# KiCad board ovc5.kicad_pcb (continued)
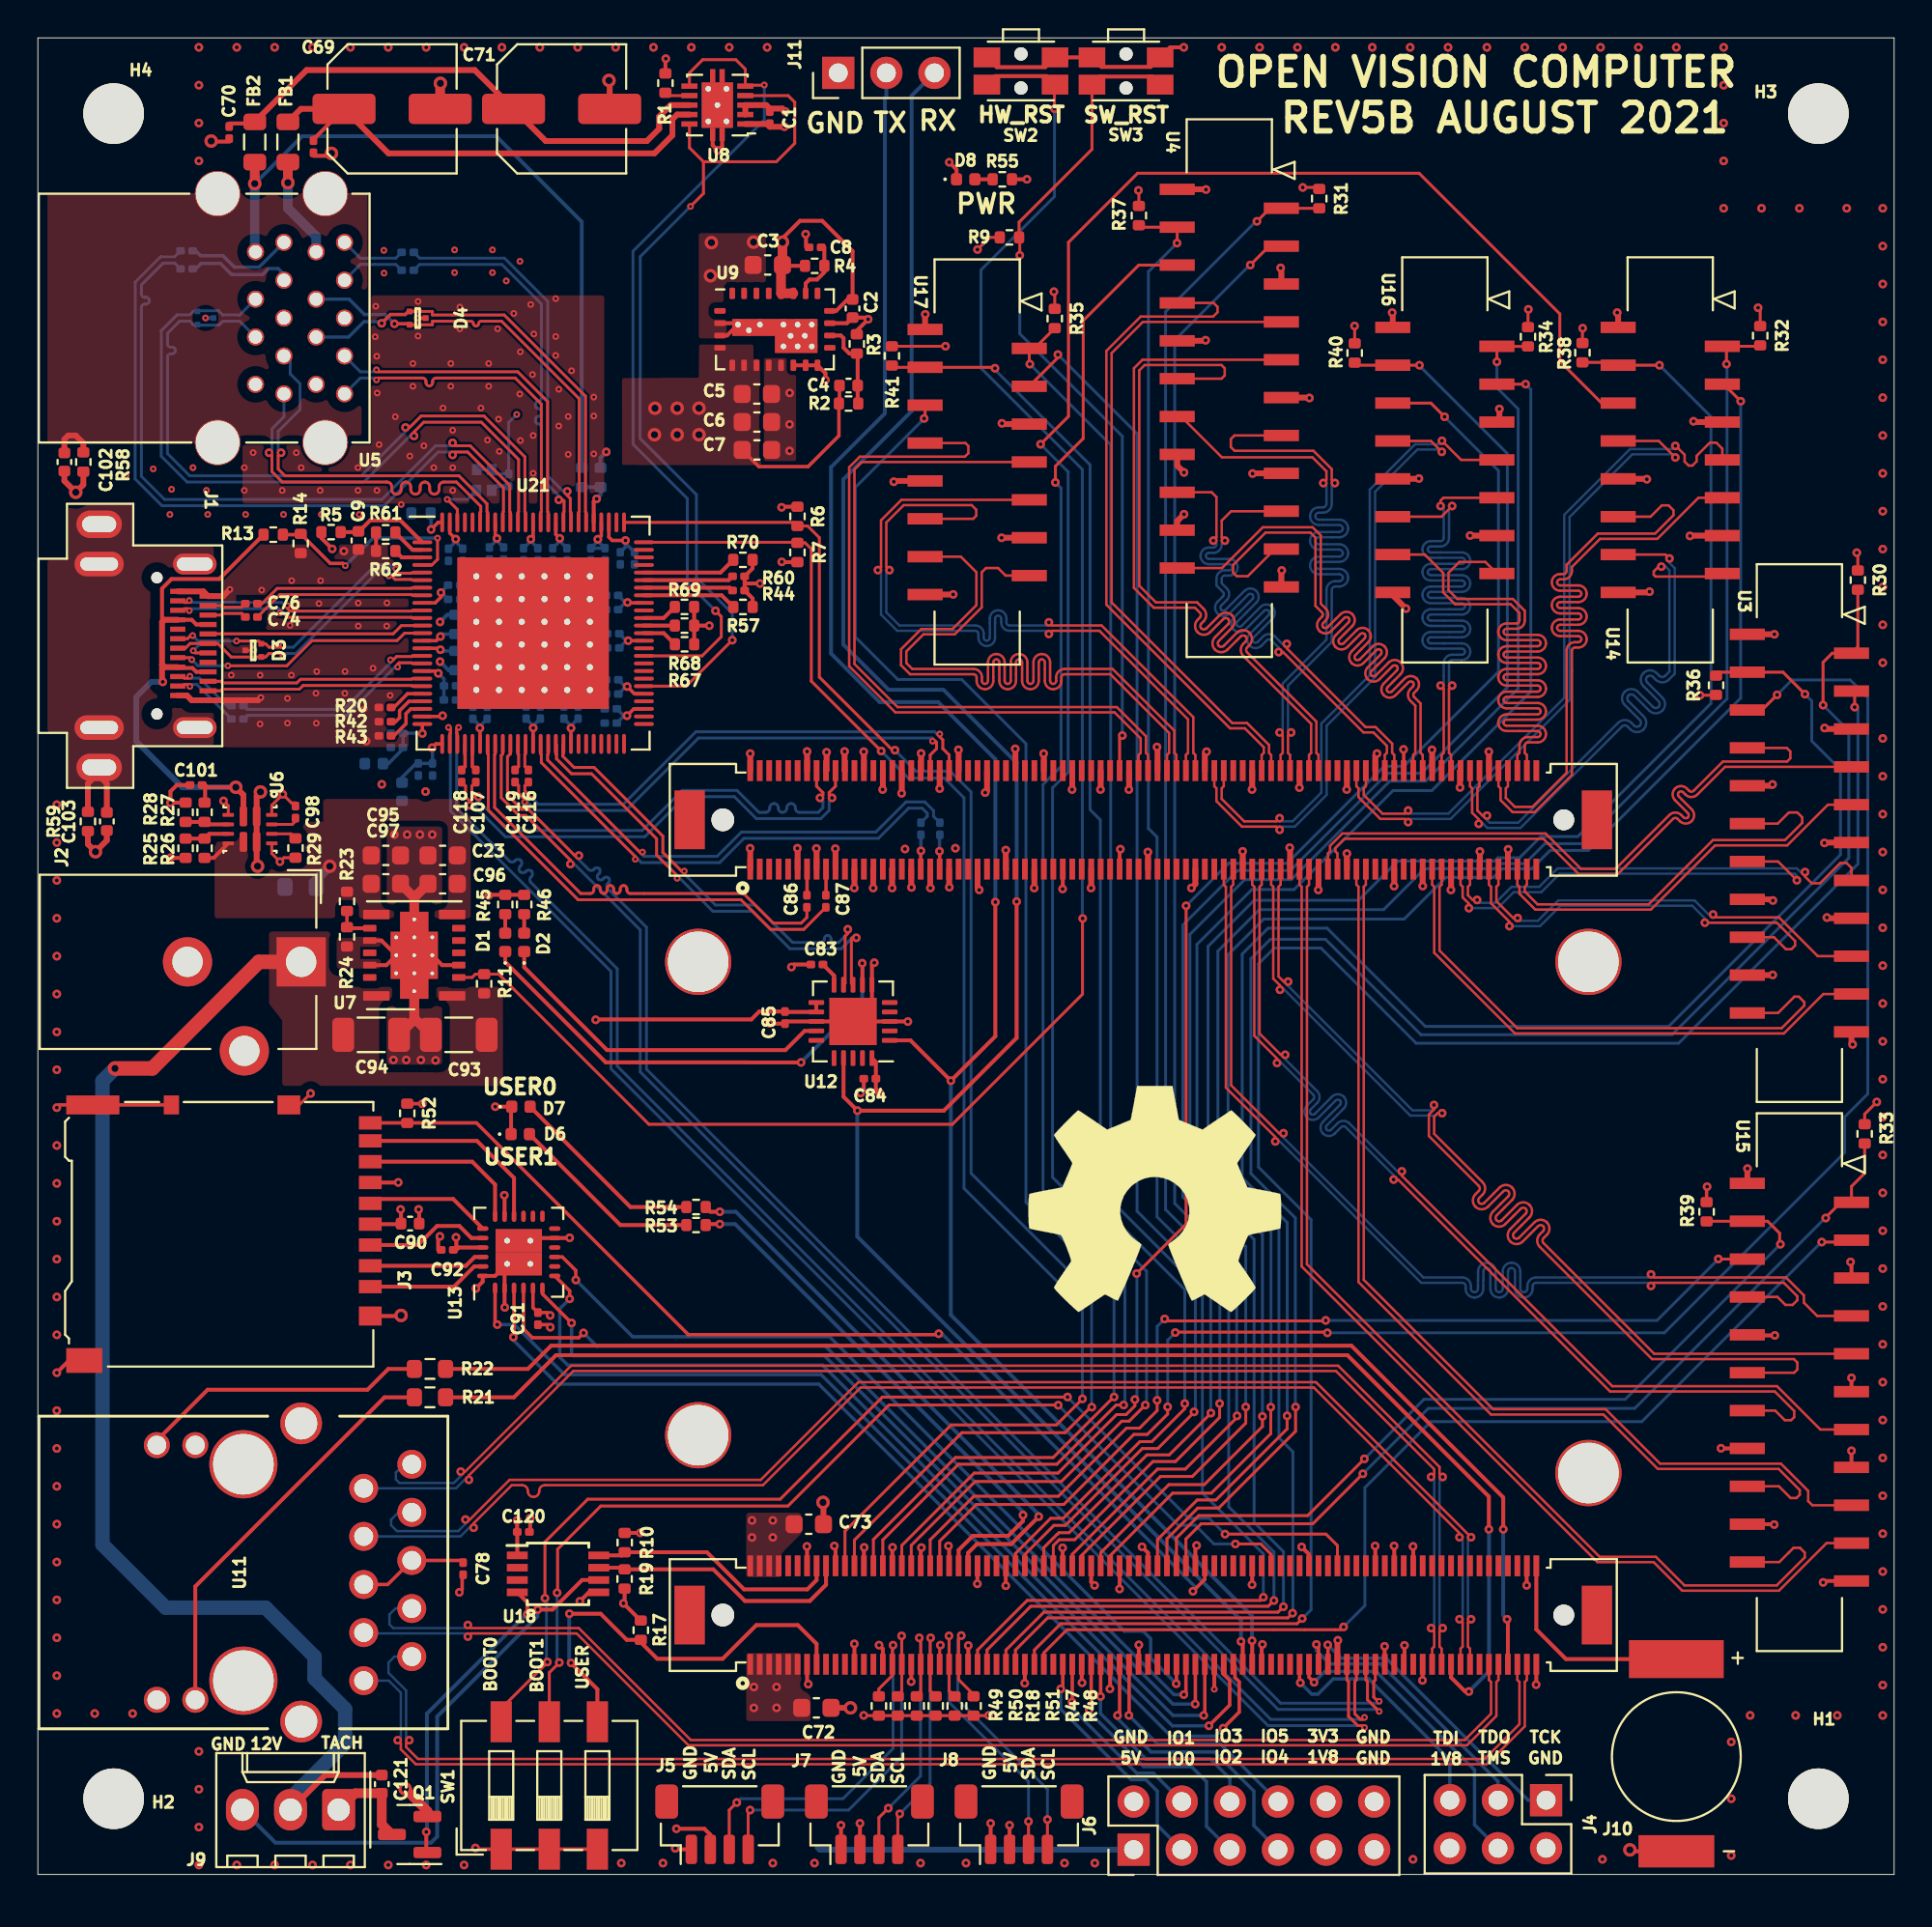
[diagram p0: board, top side]
## Routing (per net, layer and track width the routed paths; a pad name or vN(x,y) marks a point on that pad's centre or on a via; arc(x,y) is an arc through that point) (continued)
VBUS: length 31.3
  Top w0.203: J1.A9 8.36,63.52 8.16,63.72 7.43,63.72 J1.B4 ; R13.2 9.57,68.42 7.06,68.42 6.55,67.92 6.55,66.14 ; J1.B9 8.12,66.27 8.37,66.02 J1.A4 ; v2(10.45,57.42) 8.95,57.42 8.83,57.54 8.83,56.64 R27.1
  Top w0.305: J1.B4 6.69,63.77 6.55,63.9 ; U6.2 10.85,57.02 v2(10.45,57.42) ; J1.B9 6.68,66.27 6.55,66.14 6.55,63.9 ; v1(6.59,62.99) 6.55,63.02 6.55,63.9
  Bottom w0.305: v1(6.59,62.99) 5.99,62.99 5.2,62.2 5.2,59.85 7.63,57.42 v2(10.45,57.42)
/Enclustra module/BATT: length 11.7
  Top w0.203: U1.A168 79.11,12.94 80.67,11.38 86.75,11.38
/Enclustra module/JTAG_TCK: length 16
  Top w0.178: v1(68.1,12.12) 68.11,12.11 U1.A123
  Bottom w0.178: J4.1 78.67,3.92 71.17,11.42 68.8,11.42 v1(68.1,12.12)
/Enclustra module/JTAG_TDI: length 13.4
  Top w0.178: U1.A117 66.61,10.17 v1(66.65,10.12)
  Bottom w0.178: J4.5 74.55,6.05 70.26,10.33 68.39,10.33 67.58,9.53 67.25,9.53 v1(66.65,10.12)
/Enclustra module/JTAG_TDO: length 14.9
  Top w0.178: U1.A121 67.61,12.04 v1(67.5,12.15)
  Bottom w0.178: v1(67.5,12.15) 67.5,11.83 68.2,11.12 70.88,11.12 77.08,4.92 J4.3
/Enclustra module/JTAG_TMS: length 16.6
  Top w0.178: v1(67.38,10.15) 67.11,10.42 U1.A119
  Bottom w0.178: v1(67.38,10.15) 67.94,10.72 70.65,10.72 75.85,5.52 75.85,2.62 J4.4
/Enclustra module/USER_LED0: length 28.4
  Top w0.203: v1(36,34.35) 35.31,34.35 R53.1 ; v1(52.01,18.98) 52.01,18.67 51.22,17.88 49.36,17.88 48.61,17.13 U1.A46
  Bottom w0.203: v1(36,34.35) 36.81,34.35 52.01,19.15 v1(52.01,18.98)
/Enclustra module/USER_LED1: length 29.6
  Top w0.203: R54.1 35.51,35 v1(36,35) ; U1.A48 49.11,16.98 49.58,17.45 51.39,17.45 v1(52.84,18.9)
  Bottom w0.203: v1(36,35) 36.85,35 52.84,19.01 v1(52.84,18.9)
/Interfaces/RXLED: length 18.5
  Top w0.203: D2.1 25.67,47.92 30.05,43.54 39.46,43.54 40.48,44.55 U12.14
/Interfaces/SD_CLK: length 6.7
  Top w0.203: J3.5 17.78,35.67 21.92,35.67 U13.19
/Interfaces/SD_CMD: length 6.6
  Top w0.203: U13.20 22.89,33.61 22.25,34.25 21.08,34.25 20.07,33.25 J3.3
/Interfaces/SD_D0: length 8.8
  Top w0.203: U13.18 24.14,36.44 22.93,37.64 J3.7
/Interfaces/SD_D1: length 10.4
  Top w0.203: U13.16 25.14,36.79 23.18,38.75 J3.8
/Interfaces/SD_D2: length 6.4
  Top w0.203: U13.23 23.04,32.11 21.97,31.05 J3.1
/Interfaces/SD_D3: length 6.1
  Top w0.203: J3.2 22.59,32.14 23.06,32.61 U13.22
/Interfaces/TACH: length 29.2
  Top w0.203: v1(26.39,13.99) 27.17,13.99 28.73,15.55 U18.6
  Bottom w0.203: v1(26.39,13.99) 26.37,13.97 26.37,13.63 21.08,8.34 21.08,2 20.76,1.68 12.54,1.68 J9.3
/Interfaces/TXLED: length 26.1
  Top w0.203: v1(43.52,48.13) 43.53,48.11 U12.7 ; D1.1 24.67,48.19 29.98,42.89 37.42,42.89 37.42,42.89 v1(40.29,42.89)
  Bottom w0.203: v1(40.29,42.89) 43.52,46.12 v1(43.52,48.13)
/Power/VREG: length 2.8
  Top w0.203: U6.6 9.28,53.69 R25.1
  Bottom w0.508: v2(15.41,53.25) 14.7,52.53 14.7,52.31
/USB/A_SHIELD: length 2.5
  Top w0.305: R58.1 2.4,75.6 2,76 1.6,76 1.4,75.8 C102.2
/USB/C_SHIELD: length 3.6
  Top w0.305: C103.2 3.64,57.61 3.44,57.81 ; R59.1 2.64,57.61 2.84,57.81
/USB/HUB_DN2_TX+: length 1.5
  Top w0.178: 22.37,58.33 22.55,58.51 22.55,59.18 22.55,59.19 U21.29
/USB/HUB_DN2_TX-: length 1.5
  Top w0.178: U21.30 22.95,59.19 22.94,59.18 22.94,58.51 23.12,58.33
/USB/HUB_DN3_TX+: length 1.5
  Top w0.152: C119.1 25.38,58.52 25.38,59.15 25.34,59.19 25.34,59.71
/USB/HUB_DN3_TX-: length 1.5
  Top w0.152: 25.74,59.71 25.74,59.19 25.71,59.15 25.71,58.52 C116.1
/USB/OSC_OUT: length 3.2
  Top w0.152: v3(21.61,72.63) 22.15,72.09 U21.98
  Bottom w0.152: v3(21.61,72.63) 22.68,72.63 X1.3
/USB/RESET: length 5
  Top w0.203: U21.1 19.13,71.52 17.55,71.52 16.96,70.94 C9.1 16.88,70.9 R5.2
/USB/USB0_EN_OVC: length 46.8
  Top w0.152: 35.14,90.46 38.99,90.46 39.96,91.43 39.96,93.6 39.61,93.95 U8.4 ; 35.14,90.46 34.4,91.2 U8.10 ; 35.14,90.46 35.14,88.78 v3(34.45,88.1) ; U21.56 34.23,62.76 v1(36.66,65.19)
  Bottom w0.152: v1(36.66,65.19) 36.66,66.6 34.77,68.49 34.77,72.87 31.8,75.84 31.8,85.44 v3(34.45,88.1)
/USB/USB1_EN_OVC: length 44.5
  Top w0.152: U21.60 35.07,64.36 36.08,65.37 36.08,66.44 v1(35.78,66.74) ; U8.6 34.4,95.15 35.1,95.85 36.85,95.85 37.35,95.34 U8.5 37.4,94.5 38.34,94.5 v3(38.35,94.51)
  Bottom w0.152: v3(38.35,94.51) 38.35,92.66 31.42,85.73 31.42,75.53 34.29,72.67 34.29,68.23 v1(35.78,66.74)
/USB/USB_H0_D_N: length 23.2
  Top w0.152: U21.82 28.55,71.94 28.58,71.97 28.58,77.94 24.48,82.03 23.39,82.03 arc(23.31,82) 23.27,81.91 arc(23.23,81.82) 23.14,81.78 23.11,81.78 arc(23.03,81.82) 22.99,81.91 arc(22.95,82) 22.86,82.03 20.83,82.03 20.83,81.85 20.24,81.85 20.21,81.82 19.88,81.82 19.85,81.85 D4.2
  Top w0.178: v1(18.83,81.9) 19.58,81.9 D4.2
  Bottom w0.178: v1(18.83,81.9) 18.33,82.39 17.24,82.39 16.43,83.2 U5.11
/USB/USB_H0_D_P: length 23.5
  Top w0.152: D4.1 19.85,82.55 19.88,82.58 20.21,82.58 20.24,82.55 20.83,82.55 20.83,82.37 24.62,82.37 28.91,78.08 28.91,71.97 28.95,71.94 U21.81
  Top w0.178: v1(18.15,81.92) 18.62,82.39 19.39,82.39 19.55,82.55 D4.1
  Bottom w0.178: v1(18.15,81.92) 18.07,82.01 17.22,82.01 16.41,81.2 U5.12
/USB/USB_H0_RX_N: length 18.2
  Top w0.152: U21.87 26.55,71.94 26.58,71.97 26.58,77.66 25.2,79.03 21.02,79.03 arc(20.89,78.98) 20.84,78.86 20.84,78.79 arc(20.79,78.66) 20.67,78.61 arc(20.54,78.66) 20.49,78.79 20.49,78.86 arc(20.44,78.98) 20.32,79.03 17.98,79.03 v3(17.87,78.93)
  Bottom w0.152: U5.14 17.02,79.03 17.77,79.03 v3(17.87,78.93)
/USB/USB_H0_RX_P: length 18.2
  Top w0.152: v3(17.87,79.47) 17.98,79.37 25.34,79.37 26.91,77.79 26.91,71.97 26.95,71.94 U21.86
  Bottom w0.152: v3(17.87,79.47) 17.77,79.37 17.02,79.37 U5.15
/USB/USB_H0_TX_CONN_N: length 3.5
  Bottom w0.152: C79.1 18.9,85.03 17.02,85.03 U5.17
/USB/USB_H0_TX_CONN_P: length 3.5
  Bottom w0.152: U5.18 17.02,85.37 18.9,85.37 C81.1
/USB/USB_H0_TX_N: length 20.6
  Top w0.152: 27.74,71.41 27.74,71.94 27.78,71.97 27.78,72.54 27.71,72.6 v1(27.5,72.6)
  Bottom w0.152: C79.2 20.15,85.03 24.5,85.03 26.58,82.95 26.58,77.97 arc(26.53,77.86) 26.43,77.81 arc(26.32,77.77) 26.27,77.66 26.27,77.57 arc(26.32,77.46) 26.43,77.41 arc(26.53,77.37) 26.58,77.26 26.58,77.17 arc(26.53,77.06) 26.43,77.01 arc(26.32,76.97) 26.27,76.86 26.27,76.77 arc(26.32,76.66) 26.43,76.61 arc(26.53,76.57) 26.58,76.46 26.58,73.74 27.5,72.82 v1(27.5,72.6)
/USB/USB_H0_TX_P: length 20.5
  Top w0.152: U21.83 28.15,71.94 28.11,71.97 28.11,72.67 27.95,72.83 v1(27.95,73.05)
  Bottom w0.152: C81.2 20.15,85.37 24.63,85.37 26.91,83.09 26.91,73.87 27.73,73.05 v1(27.95,73.05)
/USB/USB_H1_D_N: length 37.5
  Top w0.152: 25.34,71.41 25.34,71.94 25.38,71.97 25.38,74.73 23.41,76.7 20.37,76.7 19.86,76.19 v1(19.86,75.97)
  Bottom w0.152: U5.2 10.66,82.37 9.77,82.37 9.55,82.59 8.45,82.59 D5.2 8.2,82.56 8.01,82.37 7.34,82.37 6.51,81.54 6.51,74.91 7.88,73.54 17.21,73.54 19.64,75.97 v1(19.86,75.97)
/USB/USB_H1_D_P: length 37.5
  Top w0.152: v1(19.41,76.42) 19.63,76.42 20.23,77.03 23.55,77.03 25.71,74.87 25.71,71.97 25.74,71.94 25.74,71.41
  Bottom w0.152: U5.3 10.66,82.03 9.77,82.03 9.56,81.83 8.45,81.83 D5.1 8.2,81.86 8.01,82.04 7.48,82.04 6.84,81.4 6.84,80.84 arc(6.89,80.72) 7.02,80.67 7.09,80.67 arc(7.21,80.61) 7.26,80.49 arc(7.21,80.37) 7.09,80.32 7.02,80.32 arc(6.89,80.26) 6.84,80.14 6.84,75.05 8.02,73.87 17.07,73.87 19.41,76.21 v1(19.41,76.42)
/USB/USB_H1_RX_N: length 19.7
  Top w0.152: v1(12.2,75.09) 12.36,74.94 12.36,74.09 12.91,73.54 18.43,73.54 arc(18.61,73.47) 18.68,73.29 18.68,73.15 arc(18.76,72.97) 18.93,72.9 arc(19.11,72.97) 19.18,73.15 19.18,73.29 arc(19.26,73.47) 19.43,73.54 arc(19.61,73.47) 19.68,73.29 19.68,73.15 arc(19.76,72.97) 19.93,72.9 arc(20.11,72.97) 20.18,73.15 20.18,73.29 arc(20.26,73.47) 20.43,73.54 arc(20.61,73.47) 20.68,73.29 20.68,73.15 arc(20.76,72.97) 20.93,72.9 arc(21.11,72.97) 21.18,73.15 21.18,73.29 arc(21.26,73.47) 21.43,73.54 22.1,73.54 23.38,72.26 23.38,71.97 23.34,71.94 23.34,71.41
  Bottom w0.152: v1(12.2,75.09) 12.36,75.24 12.36,76.35 12.99,76.98 U5.5
/USB/USB_H1_RX_P: length 19.7
  Top w0.152: v1(12.84,75.09) 12.69,74.94 12.69,74.23 13.04,73.87 22.23,73.87 23.71,72.4 23.71,71.97 23.74,71.94 23.74,71.41
  Bottom w0.152: v1(12.84,75.09) 12.69,75.24 12.69,76.21 13.84,77.37 13.84,78.73 13.32,79.25 13.32,79.87 U5.6
/USB/USB_H1_TX_CONN_N: length 5.6
  Bottom w0.178: U5.8 12.99,84.51 12.68,84.82 12.18,84.82 11.88,84.51 10.22,84.51 9.65,85.08 8.61,85.08 8.33,84.8
/USB/USB_H1_TX_CONN_P: length 5.6
  Bottom w0.178: U5.9 11.68,84.89 10.38,84.89 9.77,85.5 8.58,85.5 8.33,85.75
/USB/USB_H1_TX_N: length 37.4
  Top w0.152: U21.92 24.55,71.94 24.58,71.97 24.58,73.23 22.69,75.13 22.05,75.13 v1(21.89,74.98)
  Bottom w0.152: C82.2 7.22,85.44 6.48,85.44 5.13,84.09 5.13,73.71 6.55,72.29 18.29,72.29 21.13,75.13 21.74,75.13 v1(21.89,74.98)
/USB/USB_H1_TX_P: length 37.4
  Top w0.152: U21.91 24.95,71.94 24.91,71.97 24.91,73.37 22.82,75.46 22.05,75.46 v1(21.89,75.61)
  Bottom w0.152: C80.2 7.22,85.11 6.62,85.11 5.46,83.96 5.46,83.47 arc(5.51,83.34) 5.64,83.29 5.71,83.29 arc(5.84,83.24) 5.89,83.12 arc(5.84,82.99) 5.71,82.94 5.64,82.94 arc(5.51,82.89) 5.46,82.77 5.46,73.85 6.69,72.62 18.15,72.62 20.99,75.46 21.74,75.46 v1(21.89,75.61)
/USB/USB_US_CC1_CONN: length 11.5
  Top w0.152: J1.A5 8.99,65.52 18.76,65.52 19.19,65.96 U21.12
/USB/USB_US_CC2_CONN: length 13.8
  Top w0.152: v3(8.12,64.16) 8.02,64.27 J1.B5 ; U21.13 19.36,65.56 18.96,65.16 14.47,65.16 13.14,63.84 v3(10.03,63.84)
  Bottom w0.152: v3(8.12,64.16) 8.45,63.84 v3(10.03,63.84)
/USB/USB_US_D_CONN_N: length 17
  Top w0.152: J1.A7 8.32,64.52 v3(8.2,64.64) ; v3(8.17,65.43) 8.06,65.43 7.9,65.27 J1.B7 ; U21.5 19.77,68.76 19.74,68.73 19,68.73 18.9,68.82 v3(18.9,68.97) ; v3(10.48,65.14) 11.65,65.14 D3.2 12.02,65 12.2,64.82 12.84,64.82 v3(12.94,64.92)
  Bottom w0.152: v3(18.9,68.97) 18.76,68.97 18.56,69.17 17.84,69.17 13.49,64.82 13.04,64.82 v3(12.94,64.92) ; v3(8.17,65.43) 8.46,65.14 8.71,65.14 ; v3(8.2,64.64) 8.71,65.14 ; 8.71,65.14 v3(10.48,65.14)
/USB/USB_US_D_CONN_P: length 15.6
  Top w0.152: U21.6 19.77,68.36 19.74,68.39 18.86,68.39 18.67,68.59 v3(18.52,68.59) ; v3(12.94,64.39) 12.84,64.49 12.2,64.49 12.02,64.3 D3.1 11.79,64.3 10.21,64.3 9.49,65.02 J1.A6 8.04,65.02 7.79,64.77 J1.B6
  Bottom w0.152: v3(18.52,68.59) 18.52,68.73 18.42,68.84 17.98,68.84 13.63,64.49 13.04,64.49 v3(12.94,64.39)
/USB/USB_US_RX1_CONN_N: length 13.3
  Top w0.152: U21.11 19.77,66.36 19.74,66.39 13.18,66.39 12.94,66.64 v3(12.79,66.64) ; v3(7.99,66.75) 7.89,66.85 7.73,66.85 7.65,66.77 J1.B10
  Bottom w0.152: v3(12.79,66.64) 12.79,66.78 12.72,66.85 8.09,66.85 v3(7.99,66.75)
/USB/USB_US_RX1_CONN_P: length 13.3
  Top w0.152: v3(7.99,67.28) 7.89,67.18 7.73,67.18 7.65,67.27 J1.B11 ; v3(13.17,67.02) 13.17,66.87 13.32,66.73 19.74,66.73 19.77,66.76 U21.10
  Bottom w0.152: v3(7.99,67.28) 8.09,67.18 12.86,67.18 13.02,67.02 v3(13.17,67.02)
/USB/USB_US_RX2_CONN_N: length 11.4
  Top w0.152: J1.A10 9.66,63.02 9.74,62.93 13.67,62.93 13.86,63.13 19.74,63.13 19.77,63.16 U21.19
/USB/USB_US_RX2_CONN_P: length 11.4
  Top w0.152: U21.20 19.77,62.76 19.74,62.79 14,62.79 13.81,62.6 9.74,62.6 9.66,62.52 J1.A11
/USB/USB_US_TX1_CONN_N: length 2.1
  Top w0.152: J1.A2 9.66,67.02 9.74,66.93 10.77,66.93 C76.1
/USB/USB_US_TX1_CONN_P: length 2.1
  Top w0.152: C74.1 10.77,66.6 9.74,66.6 9.66,66.52 J1.A3
/USB/USB_US_TX1_N: length 9.1
  Top w0.152: C76.2 11.83,67.12 12.64,67.93 19.74,67.93 19.77,67.96 U21.7
/USB/USB_US_TX1_P: length 9.2
  Top w0.152: C74.2 12.77,67.59 19.74,67.59 19.77,67.56 U21.8
/USB/USB_US_TX2_CONN_N: length 3.7
  Top w0.152: J1.B2 7.65,62.77 7.73,62.85 7.92,62.85 v3(8.02,62.75)
  Bottom w0.152: C77.1 8.39,62.85 8.13,62.85 v3(8.02,62.75)
/USB/USB_US_TX2_CONN_P: length 3.6
  Top w0.152: v3(8.02,63.28) 7.92,63.18 7.73,63.18 7.65,63.27 J1.B3
  Bottom w0.152: v3(8.02,63.28) 8.13,63.18 8.53,63.18 9.98,61.72 C75.1
/USB/USB_US_TX2_N: length 10.8
  Top w0.152: v3(18.99,63.77) 18.99,63.91 19.07,63.99 19.74,63.99 19.77,63.96 U21.17
  Bottom w0.152: v3(18.99,63.77) 18.85,63.77 16.29,61.21 11.04,61.21 C77.2
/USB/USB_US_TX2_P: length 10.8
  Top w0.152: U21.16 19.77,64.36 19.74,64.33 18.94,64.33 18.76,64.15 v3(18.62,64.15)
  Bottom w0.152: v3(18.62,64.15) 18.62,64 16.15,61.54 11.04,61.54 C75.2
BOOT_MODE0: length 59.9
  Top w0.152: v1(54.36,25.22) 54.36,25.21 44.58,25.21 39.19,19.82 29.03,19.82 26.77,17.56 v1(26.77,14.59) ; U1.A126 68.61,17.37 68.01,17.97 v1(62.67,17.97) ; SW1.6 24.46,8.76 26.9,11.2 v1(26.9,11.22)
  Bottom w0.152: v1(26.9,11.22) 26.85,11.27 26.85,14.51 v1(26.77,14.59) ; v1(54.36,25.22) 54.36,25.21 60.76,18.81 61.84,18.81 v1(62.67,17.97)
BOOT_MODE1: length 54.1
  Top w0.152: v1(27.53,11.19) 27,10.66 SW1.5 ; v1(53.87,24.78) 53.86,24.79 44.93,24.79 39.6,19.46 29.72,19.46 27.44,17.18 27.44,14.91 v1(27.41,14.88) ; U1.A112 65.11,16.91 64.56,17.45 v1(63.22,17.45)
  Bottom w0.152: v1(27.53,11.19) 27.41,11.31 27.41,14.88 v1(27.41,14.88) ; v1(63.22,17.45) 62.09,17.45 61.11,18.44 60.21,18.44 v1(53.87,24.78)
CAM0_CLK+: length 34.1
  Top w0.127: U1.B123 68.11,53.93 68.22,54.04 68.22,54.33 68.87,54.98 79.6,54.98 81.47,53.11 83.29,53.11 86.14,55.96 arc(86.45,56.09) 86.76,55.96 86.89,55.83 arc(87,55.78) 87.11,55.83 arc(87.16,55.94) 87.11,56.06 86.44,56.73 arc(86.31,57.04) 86.44,57.36 arc(86.75,57.48) 87.06,57.36 87.18,57.23 arc(87.3,57.18) 87.41,57.23 88.96,58.78 92.35,58.78 92.52,58.95 92.52,59.31 92.33,59.5 U3.7
CAM0_CLK-: length 34.1
  Top w0.127: U1.B125 68.61,53.93 68.5,54.04 68.5,54.21 68.99,54.7 79.48,54.7 81.35,52.83 83.41,52.83 86.34,55.76 arc(86.45,55.81) 86.56,55.76 86.69,55.63 arc(87,55.5) 87.31,55.63 arc(87.44,55.94) 87.31,56.25 86.63,56.93 arc(86.59,57.04) 86.63,57.16 arc(86.75,57.2) 86.86,57.16 86.99,57.03 arc(87.3,56.9) 87.61,57.03 89.08,58.5 U3.8
CAM0_DAT0+: length 23.6
  Top w0.127: U1.B151 75.11,52.28 75.22,52.16 75.22,51.6 75.55,51.27 v1(75.55,51.04) ; v1(92.86,52.51) 91.87,53.5 U3.13
  Bottom w0.127: v1(92.86,52.51) 92.86,52.74 92.75,52.85 80.35,52.85 79.37,51.88 77.92,51.88 77.07,51.04 v1(75.55,51.04)
CAM0_DAT0-: length 24.3
  Top w0.127: v1(75.98,51.47) 75.75,51.47 75.5,51.72 75.5,52.16 75.61,52.28 U1.B153 ; U3.14 95.75,53.16 95.49,53.42 95.16,53.42 94.09,52.35 93.65,52.35 93.3,52.7 v1(93.3,52.94)
  Bottom w0.127: v1(75.98,51.47) 76.13,51.32 76.96,51.32 77.8,52.16 79.26,52.16 80.23,53.13 92.87,53.13 93.06,52.94 v1(93.3,52.94)
CAM0_DAT1+: length 21.5
  Top w0.127: U1.B163 78.11,52.28 78.22,52.16 78.22,51.8 79.06,50.96 85.16,50.96 88.55,54.35 92.36,54.35 94.5,56.5 U3.10
CAM0_DAT1-: length 21.5
  Top w0.127: U3.11 91.86,55.5 92.44,56.09 92.89,56.09 93.15,55.83 93.15,55.54 92.24,54.63 88.44,54.63 85.04,51.24 79.17,51.24 78.5,51.91 78.5,52.16 78.61,52.28 U1.B165
CAM0_DAT2+: length 23
  Top w0.127: U3.17 91.66,49.5 92.29,48.87 92.58,48.87 92.77,49.06 92.77,49.3 91.81,50.27 v1(88.01,50.27) ; v1(77.69,50.08) 77.69,50.32 76.72,51.29 76.72,52.16 76.61,52.28 U1.B157
  Bottom w0.127: v1(88.01,50.27) 88.01,50.5 87.35,51.16 80.38,51.16 79.31,50.08 v1(77.69,50.08)
CAM0_DAT2-: length 22.6
  Top w0.127: v1(78.12,50.52) 77.89,50.52 77,51.4 77,52.16 77.11,52.28 U1.B159 ; v1(88.44,50.7) 88.59,50.55 91.92,50.55 93.97,48.5 U3.18
  Bottom w0.127: v1(78.12,50.52) 78.27,50.36 79.19,50.36 80.27,51.44 87.46,51.44 88.21,50.7 v1(88.44,50.7)
CAM0_DAT3+: length 29.1
  Top w0.127: U3.20 94.26,46.5 92.18,44.42 77.98,44.42 73.72,48.68 73.72,52.16 73.61,52.28 U1.B145
CAM0_DAT3-: length 29.5
  Top w0.127: U3.21 91.87,45.5 92.73,46.36 92.97,46.36 93.26,46.07 93.26,45.89 92.06,44.7 78.1,44.7 74,48.8 74,52.16 74.11,52.28 U1.B147
CAM0_ENABLE: length 91.8
  Top w0.152: U1.A42 47.61,17.6 49.55,19.54 54.16,19.54 57.86,23.24 58.57,23.24 59.64,24.31 v1(59.64,24.69) ; v1(91.82,62.3) 91.02,61.5 U3.5 ; v1(68.08,28.61) 68.04,28.64 60.08,28.64 v1(60.05,28.62)
  Bottom w0.152: v1(91.82,62.3) 92.61,63.09 95.68,63.09 96.61,62.16 96.61,41.23 95.39,40.01 95.39,38.13 85.87,28.61 v1(68.08,28.61) ; v1(59.64,24.69) 59.65,24.7 59.65,28.22 v1(60.05,28.62)
CAM0_SCL: length 89.3
  Top w0.152: R36.2 88.78,63.5 U3.3 92.13,63.5 v1(93.29,62.34) ; v1(65.95,24.22) 65.95,23.53 62.2,19.78 61.2,19.78 59.11,17.69 U1.A88
  Bottom w0.152: v1(65.95,24.22) 65.96,24.23 65.96,34.43 63.58,36.81 63.58,48.61 64.95,49.98 68.06,49.98 73.25,44.79 86.1,44.79 95.17,53.86 95.17,58.35 93.65,59.86 93.65,61.98 v1(93.29,62.34)
CAM0_SDA: length 90.5
  Top w0.152: R30.2 96.09,64.84 U3.2 94.73,64.5 94.25,64.02 v1(94.25,61.76) ; U1.A90 59.61,17.73 61.23,19.35 62.34,19.35 66.4,23.41 v1(66.4,24.69)
  Bottom w0.152: v1(66.4,24.69) 66.39,24.7 66.39,34.67 64.04,37.02 64.04,48.36 65.07,49.39 67.98,49.39 73.02,44.35 86.27,44.35 95.61,53.69 95.61,60.4 v1(94.25,61.76)
CAM0_TRIGGER: length 98.8
  Top w0.152: v1(66.75,13.52) 66.48,13.24 54,13.24 52.61,11.85 U1.A61 ; v1(95.92,61.65) 95.92,62.33 U3.4
  Bottom w0.152: v1(95.92,61.65) 96.09,61.48 96.09,53.37 86.62,43.9 72.77,43.9 67.74,48.93 65.28,48.93 64.44,48.09 64.44,37.36 67.22,34.58 67.22,13.98 v1(66.75,13.52)
CAM1_CLK+: length 35.3
  Top w0.127: U4.7 62.07,83 62.28,82.79 62.28,82.51 62.05,82.28 58.22,82.28 56.41,80.47 56.41,67.06 62.94,60.53 63.72,60.53 64.72,59.54 64.72,59.24 64.61,59.13 U1.B110
CAM1_CLK-: length 35.6
  Top w0.127: U1.B112 65.11,59.13 65,59.24 65,59.65 63.84,60.81 63.05,60.81 56.69,67.18 56.69,80.35 58.34,82 U4.8
CAM1_DAT0+: length 34.6
  Top w0.127: v1(67.86,73.49) 68.03,73.65 68.03,74.11 67.29,74.85 62.51,74.85 60.36,77 U4.13 ; v1(65.56,60.31) 65.72,60.15 65.72,59.24 65.61,59.13 U1.B114
  Bottom w0.127: v1(67.86,73.49) 68.03,73.32 68.03,72.39 arc(67.98,72.26) 67.84,72.2 67.63,72.2 arc(67.3,72.07) 67.16,71.74 arc(67.3,71.41) 67.63,71.27 68.71,71.27 arc(68.84,71.22) 68.89,71.09 arc(68.84,70.96) 68.71,70.9 67.63,70.9 arc(67.3,70.77) 67.16,70.44 arc(67.3,70.11) 67.63,69.97 68.71,69.97 arc(68.84,69.92) 68.89,69.79 arc(68.84,69.66) 68.71,69.6 67.63,69.6 arc(67.3,69.47) 67.16,69.14 arc(67.3,68.81) 67.63,68.67 68.71,68.67 arc(68.84,68.62) 68.89,68.49 arc(68.84,68.36) 68.71,68.3 68.49,68.3 arc(68.17,68.17) 68.03,67.84 68.03,65.21 65.72,62.9 65.72,60.48 v1(65.56,60.31)
CAM1_DAT0-: length 34.6
  Top w0.127: U4.14 63.17,76 62.98,75.81 62.98,75.39 63.18,75.19 67.34,75.19 68.31,74.22 68.31,73.65 v1(68.47,73.49) ; U1.B116 66.11,59.13 66,59.24 66,60.15 v1(66.16,60.31)
  Bottom w0.127: v1(66.16,60.31) 66,60.48 66,62.79 68.31,65.1 68.31,67.84 arc(68.36,67.97) 68.49,68.02 68.71,68.02 arc(69.04,68.16) 69.17,68.49 arc(69.04,68.82) 68.71,68.95 67.63,68.95 arc(67.5,69.01) 67.44,69.14 arc(67.5,69.27) 67.63,69.32 68.71,69.32 arc(69.04,69.46) 69.17,69.79 arc(69.04,70.12) 68.71,70.25 67.63,70.25 arc(67.5,70.31) 67.44,70.44 arc(67.5,70.57) 67.63,70.62 68.71,70.62 arc(69.04,70.76) 69.17,71.09 arc(69.04,71.42) 68.71,71.55 67.63,71.55 arc(67.5,71.61) 67.44,71.74 arc(67.5,71.87) 67.63,71.92 67.84,71.92 arc(68.17,72.06) 68.31,72.39 68.31,73.32 v1(68.47,73.49)
CAM1_DAT1+: length 39.6
  Top w0.127: U1.B120 67.11,59.13 67.22,59.24 67.22,60.77 63.64,64.35 arc(63.51,64.68) 63.64,65.01 63.76,65.12 arc(63.82,65.25) 63.76,65.39 arc(63.63,65.44) 63.5,65.39 62.8,64.69 arc(62.48,64.55) 62.15,64.69 arc(62.01,65.02) 62.15,65.35 62.84,66.04 arc(62.9,66.17) 62.84,66.3 arc(62.71,66.36) 62.58,66.3 61.89,65.61 arc(61.56,65.47) 61.23,65.61 arc(61.09,65.94) 61.23,66.27 61.35,66.38 arc(61.4,66.52) 61.35,66.65 61.09,66.91 58.91,66.91 57.87,67.95 57.87,79.55 58.32,80 U4.10
CAM1_DAT1-: length 39.1
  Top w0.127: U1.B122 67.61,59.13 67.5,59.24 67.5,60.89 63.84,64.55 arc(63.79,64.68) 63.84,64.81 63.96,64.93 arc(64.1,65.25) 63.96,65.58 arc(63.63,65.72) 63.3,65.58 62.61,64.89 arc(62.48,64.83) 62.35,64.89 arc(62.29,65.02) 62.35,65.15 63.04,65.84 arc(63.18,66.17) 63.04,66.5 arc(62.71,66.64) 62.38,66.5 61.69,65.81 arc(61.56,65.75) 61.43,65.81 arc(61.37,65.94) 61.43,66.07 61.54,66.19 arc(61.68,66.52) 61.54,66.84 61.2,67.18 59.03,67.18 58.15,68.06 58.15,79.44 58.43,79.72 62.49,79.72 62.66,79.55 62.66,79.17 62.49,79 U4.11
CAM1_DAT2+: length 32.1
  Top w0.127: U1.B136 71.11,59.13 71.22,59.24 71.22,59.61 70.51,60.32 69.98,60.32 65.74,64.56 v1(65.5,64.56) ; v1(62.06,70.45) 62.22,70.61 62.22,72.75 61.97,73 U4.17
  Bottom w0.127: v1(65.5,64.56) 65.5,64.79 65.11,65.19 arc(65,65.23) 64.89,65.19 64.6,64.9 arc(64.29,64.77) 63.98,64.9 arc(63.85,65.21) 63.98,65.52 64.97,66.52 arc(65.02,66.63) 64.97,66.74 arc(64.86,66.79) 64.75,66.74 63.75,65.75 arc(63.44,65.62) 63.13,65.75 arc(63,66.06) 63.13,66.37 64.13,67.37 arc(64.17,67.48) 64.13,67.59 arc(64.01,67.64) 63.9,67.59 62.9,66.6 arc(62.59,66.47) 62.28,66.6 arc(62.15,66.91) 62.28,67.22 62.57,67.5 arc(62.61,67.62) 62.57,67.73 62.22,68.08 62.22,68.44 arc(62.35,68.75) 62.66,68.88 62.9,68.88 arc(63.02,68.93) 63.06,69.04 arc(63.02,69.15) 62.9,69.2 61.82,69.2 arc(61.51,69.33) 61.38,69.64 arc(61.51,69.95) 61.82,70.08 62.06,70.08 arc(62.18,70.13) 62.22,70.24 62.22,70.28 v1(62.06,70.45)
CAM1_DAT2-: length 32
  Top w0.127: U4.18 63,72 62.5,71.5 62.5,70.61 v1(62.67,70.45) ; v1(65.93,64.99) 65.93,64.76 70.09,60.6 70.62,60.6 71.5,59.72 71.5,59.24 71.61,59.13 U1.B138
  Bottom w0.127: v1(65.93,64.99) 65.7,64.99 65.31,65.38 arc(65,65.51) 64.69,65.38 64.4,65.1 arc(64.29,65.05) 64.18,65.1 arc(64.13,65.21) 64.18,65.32 65.17,66.32 arc(65.3,66.63) 65.17,66.94 arc(64.86,67.07) 64.55,66.94 63.55,65.95 arc(63.44,65.9) 63.33,65.95 arc(63.28,66.06) 63.33,66.17 64.32,67.17 arc(64.45,67.48) 64.32,67.79 arc(64.01,67.92) 63.7,67.79 62.71,66.79 arc(62.59,66.75) 62.48,66.79 arc(62.43,66.91) 62.48,67.02 62.76,67.31 arc(62.89,67.62) 62.76,67.93 62.5,68.19 62.5,68.44 arc(62.55,68.55) 62.66,68.6 62.9,68.6 arc(63.21,68.73) 63.34,69.04 arc(63.21,69.35) 62.9,69.48 61.82,69.48 arc(61.71,69.53) 61.66,69.64 arc(61.71,69.75) 61.82,69.8 62.06,69.8 arc(62.37,69.93) 62.5,70.24 62.5,70.28 v1(62.67,70.45)
CAM1_DAT3+: length 36.2
  Top w0.127: U4.20 65.31,70 63.88,68.57 63.29,68.57 63.1,68.76 63.1,69.16 64.81,70.87 67.18,70.87 67.45,70.61 67.45,67 67.8,66.66 arc(67.84,66.54) 67.8,66.43 67.66,66.3 arc(67.54,65.99) 67.66,65.68 arc(67.98,65.55) 68.29,65.68 68.97,66.36 arc(69.09,66.41) 69.2,66.36 arc(69.25,66.25) 69.2,66.13 68.51,65.45 arc(68.38,65.14) 68.51,64.83 arc(68.82,64.7) 69.13,64.83 69.82,65.51 arc(69.93,65.56) 70.05,65.51 arc(70.09,65.4) 70.05,65.29 69.36,64.6 arc(69.23,64.29) 69.36,63.98 arc(69.67,63.85) 69.98,63.98 70.67,64.66 arc(70.78,64.71) 70.9,64.66 arc(70.94,64.55) 70.9,64.44 70.21,63.75 arc(70.08,63.44) 70.21,63.13 arc(70.52,63) 70.83,63.13 71.52,63.82 arc(71.63,63.86) 71.74,63.82 arc(71.79,63.7) 71.74,63.59 71.06,62.9 arc(70.93,62.59) 71.06,62.28 arc(71.37,62.15) 71.68,62.28 72.37,62.97 arc(72.48,63.01) 72.59,62.97 arc(72.64,62.85) 72.59,62.74 72.46,62.61 arc(72.33,62.3) 72.46,61.99 72.72,61.73 72.72,59.24 72.61,59.13 U1.B142
CAM1_DAT3-: length 36.2
  Top w0.127: U4.21 62.52,69 64.67,71.15 67.3,71.15 67.73,70.72 67.73,67.12 67.99,66.85 arc(68.12,66.54) 67.99,66.23 67.86,66.1 arc(67.81,65.99) 67.86,65.87 arc(67.98,65.83) 68.09,65.87 68.77,66.56 arc(69.09,66.69) 69.4,66.56 arc(69.53,66.25) 69.4,65.94 68.71,65.25 arc(68.66,65.14) 68.71,65.02 arc(68.82,64.98) 68.94,65.02 69.62,65.71 arc(69.93,65.84) 70.24,65.71 arc(70.37,65.4) 70.24,65.09 69.56,64.4 arc(69.51,64.29) 69.56,64.18 arc(69.67,64.13) 69.79,64.18 70.47,64.86 arc(70.78,64.99) 71.09,64.86 arc(71.22,64.55) 71.09,64.24 70.41,63.55 arc(70.36,63.44) 70.41,63.33 arc(70.52,63.28) 70.63,63.33 71.32,64.01 arc(71.63,64.14) 71.94,64.01 arc(72.07,63.7) 71.94,63.39 71.26,62.71 arc(71.21,62.59) 71.26,62.48 arc(71.37,62.43) 71.48,62.48 72.17,63.17 arc(72.48,63.29) 72.79,63.17 arc(72.92,62.85) 72.79,62.54 72.66,62.41 arc(72.61,62.3) 72.66,62.19 73,61.85 73,59.24 73.11,59.13 U1.B144
CAM1_ENABLE: length 83.4
  Top w0.152: v1(57.32,24.79) 56.92,24.79 53.8,21.67 48.6,21.67 46.64,19.7 44.61,17.67 U1.A30 ; U4.5 58.12,85 55.19,82.07 55.19,75.84 53.72,74.37 v1(53.72,73.52)
  Bottom w0.152: v1(57.32,24.79) 57.39,24.86 57.39,31.29 53.06,35.62 53.06,57.56 54.02,58.52 54.02,73.22 v1(53.72,73.52)
CAM1_SCL: length 79.4
  Top w0.152: 58.13,87.1 58.23,87 U4.3 60.15,86.17 v1(60.14,86.16) ; v1(61.93,24.37) 61.93,24.36 59.73,22.16 58.55,22.16 54.44,18.05 53.9,18.05 53.81,17.96 53.81,17.96 53.11,17.26 U1.A64
  Bottom w0.152: v1(60.14,86.16) 58.63,84.65 58.63,55.25 59.08,54.8 59.08,34.73 61.92,31.9 61.92,24.38 v1(61.93,24.37)
CAM1_SDA: length 82.6
  Top w0.152: v1(64.36,87.31) 65.05,88 U4.2 R31.2 ; v1(62.39,24.87) 62.39,24.14 60.06,21.81 58.87,21.81 54.74,17.68 53.92,17.68 53.61,17.37 U1.A66
  Bottom w0.152: v1(62.39,24.87) 62.4,24.88 62.4,32.25 59.54,35.11 59.54,82.54 64.31,87.31 v1(64.36,87.31)
CAM1_TRIGGER: length 93.4
  Top w0.152: U4.4 65,86 v1(64.01,85) ; U1.A51 50.11,11.85 52.42,14.17 64.96,14.17 v1(65.26,14.47)
  Bottom w0.152: v1(65.26,14.47) 65.26,17.03 62.87,19.42 62.87,32.59 60.02,35.44 60.02,81.04 63.98,85 v1(64.01,85)
CAM2_CLK+: length 35.9
  Top w0.127: U1.B130 69.61,57.47 69.72,57.36 69.72,56.9 70.87,55.75 72.18,55.75 v1(72.34,55.58) ; v1(86.45,74.84) 85.58,75.71 U14.7
  Bottom w0.127: v1(86.45,74.84) 86.28,75 84.18,75 80.86,71.69 80.86,62.03 74.58,55.75 72.51,55.75 v1(72.34,55.58)
CAM2_CLK-: length 36.5
  Top w0.127: v1(72.34,56.19) 72.18,56.03 70.99,56.03 70,57.02 70,57.36 70.11,57.47 U1.B132 ; v1(86.45,75.45) 86.47,75.45 86.94,74.98 86.94,74.62 87.15,74.41 87.35,74.41 87.57,74.63 87.57,74.92 88.27,75.62 88.61,75.62 88.93,75.3 U14.8